# Altium PCB MB1428.PcbDoc (part 1 of 7) (continued)
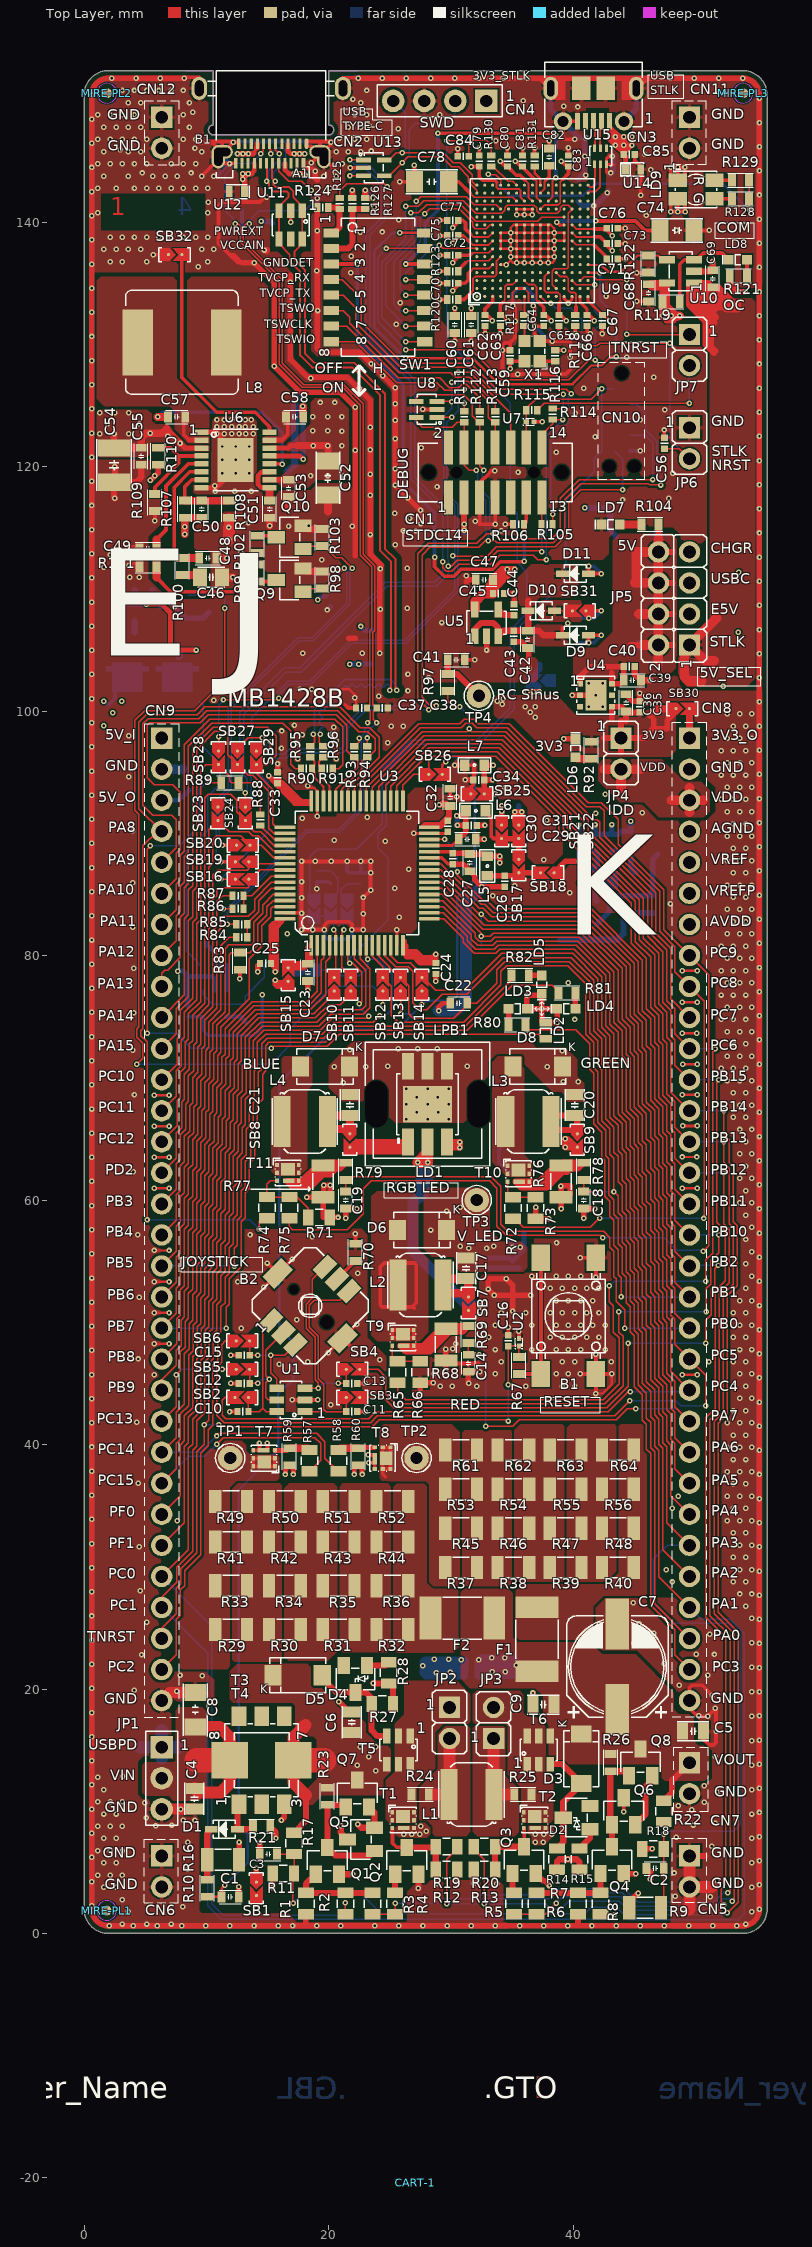
[diagram p0: Top Layer view]
## Classes and differential pairs
pad class PC_T3-T4_6: T3-6 T4-6
pad class PC_T3-T4_5: T3-5 T4-5
pad class PC_T3-T4_4: T3-4 T4-4
pad class PC_T3-T4_2: T3-2 T4-2
component class "Room Definition 1": U12
net class PA13-14: PA13 PA14
net class T_SW: T_SWCLK T_SWDIO
net class SWAPABLE: PA0 PA1 PA2 PA3 PA4 PA5 PA6 PA7 PA8 PA9 PA10 PA11 PA12 PA13 PA14 PA15 PB0 PB1 PB2 PB3 PB4 PB5 PB6 PB7 PB8 PB9 PB10 PB11 PB12 PB13 PB14 PB15 PC0 PC1 PC2 PC3 PC4 PC5 PC6 PC7 PC8 PC9 PC10 PC11 PC12 PC13 PC14 PC15 PD2 PF0 PF1
net class SIG-55OHM: MCO NetR84_1 NetR86_1 NetR88_2 NetSB10_2 NetSB11_2 PA0 PA1 PA2 PA3 PA4 PA5 PA6 PA7 PA8 PA9 PA10 PA11 PA12 PA13 PA14 PA15 PB0 PB1 PB2 PB3 PB4 PB5 PB6 PB7 PB8 PB9 PB10 PB11 PB12 PB13 PB14 PB15 PC0 PC1 PC2 PC3 PC4 PC5 PC6 PC7 PC8 PC9 PC10 PC11 PC12 PC13 PC14 PC15 PD2 PF0 PF1 STLK_MCO STLK_SWCLK STLK_SWDIO STLK_VCP_RX STLK_VCP_TX T_NRST T_SWCLK T_SWCLKa T_SWDIO T_SWDIOa T_SWOa T_VCP_RX T_VCP_TX
differential pair class DIFF_USB: D USB_DEV_HS USB_DEV_HS_CN USBPDFS_D
net class ALIMS: 1S 3V3 3V3_OUT 3V3_STLK 5V 5V_OUT 5V_USB_CHGR 5V_USB_STLK 5V_USBPD 5V_USBPD_1A_PROTECT 5V_VIN NetC42_2 NetC44_2 NetD2_3 USB_PD_VBUS USBPD_550mA_PROTECT USBPD_VBUS V_IN V_LED VBAT VC VDD VIN VOUT VREF VREFP
net class GND: AGND AVDD GND GNDDet GNDDetect
net class USB: D_N D_P USB_DEV_HS_CN_N USB_DEV_HS_CN_P USB_DEV_HS_N USB_DEV_HS_P USBPDFS_D_N USBPDFS_D_P
differential pair USB_DEV_HS: +USB_DEV_HS_P -USB_DEV_HS_N
differential pair USB_DEV_HS_CN: +USB_DEV_HS_CN_P -USB_DEV_HS_CN_N
differential pair D: +D_P -D_N
differential pair USBPDFS_D: +USBPDFS_D_P -USBPDFS_D_N

## Components (designator, comment, footprint, x,y, rotation, side; value= is the part's Value field where it differs from the comment)
B1 "" SWI_WEALTHMETAL_TD-0341_4P_BLACK 39.625,50.525 r0 top value=SWITCH
B2 "" SWI_XIEJIA_MT-008A_6P 18.5,51.35 r45 top value=MT-008A
C1 "" C0603_H0P8 11.95,3 r180 top value=680pF
C2 "" C0603_H0P8 46.725,5.325 r0 top value="6.8nF, 50V"
C3 "" C0603 15.075,6.5 r0 top value="22nF, 50V"
C4 "" C0805_H0P85 9.025,11.025 r90 top value="100nF, 50V"
C5 "" C0805_H0P85 49.825,16.55 r180 top value="100nF, 50V"
C6 "" C0805_H0P85 21.9,17.275 r270 top value="100nF, 50V"
C7 "" CPOL_WURTH_WCAP-ASLL_8X10P5 43.625,21.825 r270 top value="100µF, 35V"
C8 "Capacitor" C1206_H1P6 9.1,18.3 r270 top value="47uF, 25V"
C9 "" C0805_H0P85 37.575,18.725 r0 top value="100nF, 50V"
C10 "" C0402 13,42.7 r0 top value=100nF
C11 "" C0402 21.9,42.7 r180 top value=100nF
C12 "" C0402 13.1,45 r0 top value=100nF
C13 "" C0402 21.9,45 r180 top value=100nF
C14 "Capacitor" C0603_H0P8 31.45,46.65 r90 top value="470pF, 100V"
C15 "" C0402 13.1,47.3 r0 top value=100nF
C16 "" C0402 34.7,48.5 r270 top value=100nF
C17 "" C0805_H0P85 31.25,54.425 r90 top value=1uF
C18 "Capacitor" C0603_H0P8 40.87,60 r90 top value="470pF, 100V"
C19 "Capacitor" C0603_H0P8 21.4,60 r90 top value="470pF, 100V"
C20 "" C0805_H0P85 40.145,67.775 r90 top value=1uF
C21 "" C0805_H0P85 21.75,67.775 r90 top value=1uF
C22 "Capacitor" C0603_H0P8 30.65,76.1 r0 top value="470pF, 100V"
C23 "" C0603 18.289,78.629 r90 top value=1uF
C24 "" C0402 28.789,78.954 r90 top value=100nF
C25 "" C0402 14.85,79.35 r0 top value=100nF
C26 "" C0402 34.414,86.079 r90 top value=100nF
C27 "" C0603 31.564,87.604 r90 top value=10uF
C28 "" C0402 30.164,87.929 r270 top value=100nF
C29 "" C0603 31.35,89.525 r180 top value=1uF
C30 "" C0402 29.75,90.575 r90 top value=100nF
C31 "" C0402 31.675,90.65 r180 top value=100nF
C32 "" C0603 29.95,92.95 r270 top value=4.7uF
C33 "" C0402 15.825,94.55 r270 top value=100nF
C34 "" C0402 32.289,94.379 r0 top value=100nF
C35 "" C0402 45.475,100.35 r270 top value=100nF
C36 "" C0603 44.35,100.675 r270 top value=1uF
C37 "" C0402 22.7,100.25 r0 top value=390pF
C38 "" C0402 24.4,100.25 r180 top value=390pF
C39 "" C0603 44.85,102.525 r180 top value=1uF
C40 "" C0402 44.6,103.65 r180 top value=100nF
C41 "" C0603 30.45,104.2 r180 top value=10nF
C42 "" C0603 36.275,105.875 r90 top value=1uF
C43 "" C0402 35.15,106.125 r90 top value=100nF
C44 "" C0402 35.175,108.3 r270 top value=10nF
C45 "" C0402 33.9,109.625 r180 top value=100nF
C46 "Capacitor" C0805_KEMET_IPC-7351_DENSITY-LEVEL-B_H1P10 10.4,110.95 r180 top value=27nF
C47 "" C0603 32.75,110.75 r0 top value=1uF
C48 "" C0603 10.125,112.525 r180 top value=10pF
C49 "" C0603 5.225,113.275 r0 top value=10nF
C50 "Capacitor" C0603_H0P8 9.625,116.525 r270 top value=2.7nF
C51 "" C0603 15.175,116.525 r270 top value=4.7uF
C52 "" C1206_H1P6 19.95,119.075 r90 top value="6.8uF, 50V"
C53 "Capacitor" C0603_H0P8 16.725,118.225 r90 top value="1uF, 50V"
C54 "" C1210 2.45,120.125 r90 top value=22uF
C55 "" C0603 4.675,120.85 r90 top value=1uF
C56 "" C0402 47.475,121.925 r270 top value=100nF
C57 "" C0603_H0P8 7.575,124.075 r0 top value="68nF, 50V"
C58 "" C0603_H0P8 17.225,124.075 r180 top value="68nF, 50V"
C59 "" C0402 34.855,129.075 r270 top value=100nF
C60 "" C0603 30.33,131.625 r90 top value=4.7uF
C61 "" C0603 31.68,131.625 r90 top value=1uF
C62 "" C0402 32.805,131.95 r90 top value=100nF
C63 "" C0402 34.055,131.95 r90 top value=100nF
C64 "" C0402 37.605,131.95 r90 top value=100nF
C65 "" C0402 38.855,131.95 r90 top value=100nF
C66 "" C0402 41.155,131.95 r90 top value=100nF
C67 "" C0402 42.405,131.95 r90 top value=100nF
C68 "" C0603 46.18,134.225 r90 top value=1uF
C69 "" C0603 51.43,135.375 r270 top value=1uF
C70 "" C0402 30.155,135 r0 top value=100nF
C71 "" C0402 43.205,137 r180 top value=100nF
C72 "" C0402 30.155,137.3 r0 top value=100nF
C73 "" C0402 43.205,138.25 r180 top value=100nF
C74 "" C1206_H1P15 48.505,139.325 r180 top value=2.2uF
C75 "" C0402 30.155,138.9 r0 top value=100nF
C76 "" C0402 43.205,139.5 r180 top value=100nF
C77 "" C0402 30.155,140.15 r0 top value=100nF
C78 "" C1206_H1P15 28.43,143.3 r0 top value=2.2uF
C79 "" C0402 32.33,145 r270 top value=100nF
C80 "" C0402 34.63,145 r270 top value=100nF
C81 "" C0402 35.88,145 r270 top value=100nF
C82 "" C0603 38.055,145.325 r270 top value=2.2uF
C83 "" C0402 39.63,145 r270 top value=100nF
C84 "" C0402 31.03,145.4 r0 top value=20pF
C85 "" C0402 44.6,145.55 r180 top value=100pF
C86 "" C0603 35.05,53.625 r90 bottom value=4.7uF
C87 "" C0805_H0P85 33.05,54.425 r90 bottom value="100nF, 50V"
C88 "" C0402 8.475,75.45 r270 bottom value=100nF
C89 "" C1206_H0P85 11.375,80.975 r180 bottom value=22nF
C90 "Capacitor" C0603_H0P8 31.8,80.75 r0 bottom value="470pF, 100V"
C91 "Capacitor" C0603_H0P8 31.8,82.5 r0 bottom value="470pF, 100V"
C92 "" C0402 22.639,86.329 r270 bottom value=6.8pF
C93 "" C0402 19.039,86.479 r90 bottom value=6.8pF
C94 "" C0603_H0P8 45.825,86.775 r180 bottom locked value="100pF, 50V"
C95 "" C0603 41.8,89.225 r270 bottom value=100nF
C96 "" C0603 40.45,89.225 r270 bottom value=10uF
C97 "" C0402 8.6,94 r270 bottom value=100nF
C98 "" C0402 23.45,104.3 r270 bottom value=100nF
C99 "" C0402 37.275,104.3 r270 bottom value=100nF
C100 "" C0402 40.025,105.6 r0 bottom value=100nF
C101 "" C0402 23.575,107.05 r270 bottom value=100nF
C102 "" C0805_H0P6 2.55,108.325 r270 bottom value="1nF, 50V"
C103 "" C0402 40.025,107.925 r0 bottom value=100nF
C104 "" C0402 20.25,109.4 r180 bottom value=100nF
C105 "Capacitor" C0603 15.4,139.2 r90 bottom value="100nF, 50V"
CART-1 "Comment" Sheetbox_4L2S -18,-25.75 r0 top
CN1 "" CON_STDC14_Receiver_MEDIUM 33.635,119.525 r0 top value=STDC14
CN2 "" CON_USB-TYPEC_LITKCONN-TECHNOLOGY_CNG008S130R 15.3,152.4 r180 top locked value=CNG008S130R
CN3 "" CON_USBMICROB_MOLEX_105017-0001_H2P90 41.675,152.4 r180 top locked value=USB_uB_105017-0001
CN4 "" CON_SAMTEC_TSW-104-07-G-S 29.1,149.925 r180 top value="Header 4x1"
CN5 "Header 2x1" CON_LYCONN_313102S141346 49.53,5.08 r270 bottom
CN6 "Header 2x1" CON_LYCONN_313102S141346 6.35,5.08 r270 bottom
CN7 "Header 2x1" CON_LYCONN_313102S141346 49.53,12.7 r270 bottom
CN8 "Header 32x1" CON_LYCONN_313132S141346 49.53,58.42 r270 bottom locked value=313132S141346
CN9 "Header 32x1" CON_LYCONN_313132S141346 6.35,58.42 r270 bottom locked value=313132S141346
CN10 "" CON_TAG-C_TC2050-IDC-NL 43.995,123.825 r270 bottom value=TC2050-IDC-NL
CN11 "Header 2x1" CON_LYCONN_313102S141346 49.53,147.32 r270 bottom
CN12 "Header 2x1" CON_LYCONN_313102S141346 6.35,147.32 r270 bottom
D1 "DIODE_1K_2A" DIO_SOD323_1K_2A 11.475,8.525 r180 top value=BAS70JFILM
D2 "" DIO_SOT23_SC59_1A_2NC_3K_H1P4 40.3,9.475 r90 top value=BAT54FILM
D3 "" DIO_SMA_1A_2K 40.675,14.3 r270 top value=SMAJ15A
D4 "" DIO_SOT23_SC59_1A_2NC_3K_H1P4 22.2,20.825 r180 top value=BAT54FILM
D5 "" DIO_SMA_1A_2K 17.475,21.125 r0 top value=SMAJ15A
D6 "" DIO_SMA_1A_2K 27.65,57.55 r180 top value=STPS1L40AY
D7 "" DIO_SMA_1A_2K 19.71,70.925 r180 top value=STPS1L40AY
D8 "" DIO_SMA_1A_2K 37.11,70.925 r180 top value=STPS1L40AY
D9 "" DIO_SOD323 40.2,106.205 r180 top value=BAT60JFILM
D10 "" DIO_SOD323 37.405,108.205 r180 top value=BAT60JFILM
D11 "" DIO_SOD323 40.2,111.255 r180 top value=BAT60JFILM
ETIQUETTE-1 "Comment" LOGO_ETIQUETTE 41.6,4.525 r180 bottom
ETIQUETTE-2 "Comment" LOGO_ETIQUETTE 41.6,26 r180 bottom
F1 "" PTC_EATON_FUSE_PTS1812_H0P9 37.05,24.075 r270 top value="PTC FUSE 0.2A"
F2 "" PTC_EATON_FUSE_PTS1812_H0P9 30.95,25.8 r0 top value="PTC FUSE 0.2A"
JP1 "Jumper_Header 3x1 Fitted 1-2" CON_SAMTEC_TSW-103-07-F-S 6.35,12.7 r270 top value="Shunt Fitted 1-2"
JP2 "Jumper_Header 2x1" CON_988-JIUBABA_313102S111116 29.9,17.225 r270 top value="Shunt not fitted"
JP3 "Jumper_Header 2x1" CON_988-JIUBABA_313102S111116 33.5,17.225 r90 top value="Shunt not fitted"
JP4 "Jumper_Header 2x1 Fitted" CON_988-JIUBABA_313102S111116 43.93,96.52 r270 top locked value="Shunt Fitted"
JP5 "Jumper_Header 4x2 Fitted 1-2" CON_988-JIUBABA_313208S141116 48.26,109.22 r90 top value="Shunt Fitted 1-2"
JP6 "Jumper_Header 2x1" CON_988-JIUBABA_313102S111116 49.53,121.92 r270 top value="Shunt not fitted"
JP7 "Jumper_Header 2x1 Fitted" CON_988-JIUBABA_313102S111116 49.53,129.54 r270 top value="Shunt Fitted"
L1 "Inductor" IND_SUNLORD_SWPA5040S 31.7,11.375 r270 top value="51 uH"
L2 "Inductor" IND_SUNLORD_SWPA5040S 27.525,53.05 r90 top value="100 uH"
L3 "Inductor" IND_SUNLORD_SWPA5040S 36.345,66.425 r90 top value="100 uH"
L4 "Inductor" IND_SUNLORD_SWPA5040S 18.05,66.425 r90 top value="100 uH"
L5 "BEAD" L0603 32.989,87.329 r90 top value=FCM1608KF-301T05
L6 "BEAD" L0603 32.05,91.85 r180 top value=FCM1608KF-301T05
L7 "" L0603 31.939,95.579 r0 top value=600R@100MHz
L8 "" IND_8040_WURTH_74437358068 8,130.175 r180 top value="6.8µH 4.5A"
LD1 "" LED_PLCC6-EPAD_LUMEX_SML-LX5050SIUPGUBC 28.1,67.85 r270 top value="RGB LED"
LD2 "" LED_0603_SMD-B_BLUE_H0P4 37.775,73.85 r90 top value=BLUE
LD3 "" LED_0603_ORANGE_H0P4 35.475,75.65 r0 top value=ORANGE
LD4 "" LED_0603_GREEN 39.45,75.65 r180 top value=GREEN
LD5 "" LED_0603_RED 37.45,77.625 r270 top value=RED
LD6 "" LED_0603_GREEN 40.2,96.975 r90 top value=GREEN
LD7 "" LED_0603_GREEN 43.075,115.275 r180 top value=GREEN
LD8 "" LED_0603_RED 53.48,136.925 r180 top value=RED
LD9 "" LED_BI-GR_HSMF-A201-A00J1 50.075,142.675 r270 top value=LD_BICOLOR_CMS
LPB1 "LPB-S01110101S" LIGHT_10MM-SQUARE-LIGHT-BAR_LUMEX_LPB-S01110101S 28.1,67.85 r180 top
MIRE-PL1 "Comment" MIRE_PLACE_SMD_0P8MM 1.85,1.875 r0 top
MIRE-PL2 "Comment" MIRE_PLACE_SMD_0P8MM 1.875,150.55 r0 top
MIRE-PL3 "Comment" MIRE_PLACE_SMD_0P8MM 53.925,150.55 r0 top
MIRE-PL4 "Comment" MIRE_PLACE_SMD_0P8MM 2.075,1.925 r180 bottom
MIRE-PL5 "Comment" MIRE_PLACE_SMD_0P8MM 53.875,150.475 r180 bottom
MIRE-PL6 "Comment" MIRE_PLACE_SMD_0P8MM 1.875,150.55 r180 bottom
Q1 "" ICC_SOT23-3L_H1P12 19.9,5.95 r0 top value=NDS7002A
Q2 "" ICC_SOT23-3L_H1P12 26.4,5.95 r0 top value=NDS7002A
Q3 "" ICC_SOT23-3L_H1P12 36,6 r0 top value=NDS7002A
Q4 "" ICC_SOT23-3L_H1P12 43.2,6 r0 top value=NDS7002A
Q5 "" ICC_SOT23-3L_H1P12 22.65,7.7 r90 top value=BC807
Q6 "" ICC_SOT23-3L_H1P12 44.15,10 r0 top value=BC807
Q7 "" NPN_SOT23 22.35,11.45 r0 top value=BC817
Q8 "" NPN_SOT23 45.525,14 r0 top value=BC817
Q9 "" MOS_SOT23 16.825,110.725 r90 top value=BSN20
Q10 "" MOS_SOT23 16.825,114.225 r90 top value=BSN20
Q11 "9013-SOT23" NPN_SOT23 43.025,83.5 r90 bottom value=MMBT2222ALT1G
Q12 "" MOS_POWERFLAT_3P3X3P3_P065 7.625,103.475 r0 bottom value=STL9P3LLH6
Q13 "" MOS_POWERFLAT_3P3X3P3_P065 3.525,103.475 r0 bottom value=STL9P3LLH6
Q14 "" MOS_SOT23 7.4,108.55 r270 bottom value=BSN20
R1 "" R0805 18.15,2.45 r90 top value=10K
R2 "" R0805_H0P5 21.375,2.45 r90 top value=10R
R3 "" R0805_H0P5 23.6,2.45 r90 top value=270R
R4 "" R0805_H0P5 25.45,2.45 r90 top value=270R
R5 "" R0805_H0P5 35.175,2.45 r270 top value=270R
R6 "" R0805_H0P5 37.025,2.45 r270 top value=270R
R7 "" R0805 40.4,2.45 r90 top value=10K
R8 "" R0805_H0P5 42.25,2.45 r270 top value=10R
R9 "" R1206_H0P55 45.9,2.1 r0 top value=1R
R10 "Resistor" R0603 10.075,3.7 r90 top value=0R
R11 "" R0805 16.3,4.9 r0 top value="6K8, 0.1%"
R12 "" R0805 29.65,5.25 r180 top value=10K
R13 "" R0805 32.75,5.25 r0 top value=10K
R14 "" R0805_H0P5 38.675,6.075 r270 top value=47R
R15 "" R0805_H0P5 40.525,6.075 r270 top value=10R
R16 "Resistor" R1206_H0P55 11.375,6.025 r0 top value=187R
R17 "" R0805 17.175,7.375 r90 top value="27K, 0.1%"
R18 "" R0805 46.55,6.925 r0 top value="3.3K, 0.1%"
R19 "" R0805_H0P5 29.65,7.1 r180 top value=10R
R20 "" R0805_H0P5 32.75,7.1 r180 top value=10R
R21 "Resistor" R0603 14.525,8.775 r0 top value=5K1
R22 "" R0805 47.425,10 r90 top value="13.3K, 0.1%"
R23 "" R0603 19.9,11.225 r90 top value=1K
R24 "" R0603 27.5,11.375 r0 top value=0R_0603_ULO
R25 "" R0603 35.9,11.375 r0 top value=0R_0603_ULO
R26 "" R0603 43.075,13.975 r90 top value=1K
R27 "" R0805_H0P5 24.4,18.775 r180 top value=47R
R28 "" R0805_H0P5 24.925,21.325 r90 top value=10R
R29 "" R1206_H0P55 12.025,24.875 r0 top value=33R
R30 "" R1206_H0P55 16.425,24.875 r0 top value=33R
R31 "" R1206_H0P55 20.825,24.875 r0 top value=33R
R32 "" R1206_H0P55 25.225,24.875 r0 top value=33R
R33 "" R1206_H0P55 12.025,28.45 r0 top value=33R
R34 "" R1206_H0P55 16.425,28.45 r0 top value=33R
R35 "" R1206_H0P55 20.825,28.45 r0 top value=33R
R36 "" R1206_H0P55 25.225,28.45 r0 top value=33R
R37 "" R1206_H0P55 30.85,29.95 r0 top value=33R
R38 "" R1206_H0P55 35.125,29.95 r0 top value=33R
R39 "" R1206_H0P55 39.4,29.95 r0 top value=33R
R40 "" R1206_H0P55 43.675,29.95 r0 top value=33R
R41 "" R1206_H0P55 12.025,32.025 r0 top value=33R
R42 "" R1206_H0P55 16.425,32.025 r0 top value=33R
R43 "" R1206_H0P55 20.825,32.025 r0 top value=33R
R44 "" R1206_H0P55 25.225,32.025 r0 top value=33R
R45 "" R1206_H0P55 30.85,33.15 r0 top value=33R
R46 "" R1206_H0P55 35.125,33.15 r0 top value=33R
R47 "" R1206_H0P55 39.4,33.15 r0 top value=33R
R48 "" R1206_H0P55 43.675,33.15 r0 top value=33R
R49 "" R1206_H0P55 12.025,35.35 r0 top value=33R
R50 "" R1206_H0P55 16.425,35.35 r0 top value=33R
R51 "" R1206_H0P55 20.825,35.35 r0 top value=33R
R52 "" R1206_H0P55 25.225,35.35 r0 top value=33R
R53 "" R1206_H0P55 30.85,36.35 r0 top value=33R
R54 "" R1206_H0P55 35.125,36.35 r0 top value=33R
R55 "" R1206_H0P55 39.4,36.35 r0 top value=33R
R56 "" R1206_H0P55 43.675,36.35 r0 top value=33R
R57 "" R0805_H0P5 18.45,38.675 r90 top value=10R
R58 "" R0805_H0P5 20.8,38.675 r90 top value=10R
R59 "" R0603 16.8,39 r90 top value=10K
R60 "" R0603 22.425,39 r90 top value=10K
R61 "" R1206_H0P55 30.85,39.55 r0 top value=33R
R62 "" R1206_H0P55 35.125,39.55 r0 top value=33R
R63 "" R1206_H0P55 39.4,39.55 r0 top value=33R
R64 "" R1206_H0P55 43.675,39.55 r0 top value=33R
R65 "" R0805_H0P5 25.65,45.925 r90 top value=10R
R66 "" R0805 27.5,45.925 r90 top value=10K
R67 "" R0603 35.575,46.475 r270 top value=100R
R68 "" R1206_H0P55 29.6,48.175 r90 top value=3R01
R69 "" R0603 31.45,49 r270 top value=33R
R70 "" R0603 22.2,55.725 r270 top value=100R
R71 "" R0805 19.225,58.575 r180 top value=10K
R72 "" R0805_H0P5 35.095,59.35 r90 top value=10R
R73 "" R0805 36.945,59.35 r90 top value=10K
R74 "" R0805_H0P5 14.95,59.375 r90 top value=10R
R75 "" R0805_H0P5 16.8,59.375 r90 top value=10R
R76 "" R1206_H0P55 39.02,61.525 r90 top value=3R01
R77 "" R1206_H0P55 19.55,61.525 r90 top value=3R01
R78 "" R0603 40.87,62.35 r270 top value=33R
R79 "" R0603 21.4,62.35 r270 top value=33R
R80 "" R0603 35.425,74.35 r0 top value=1K
R81 "" R0603 39.5,76.95 r180 top value=330R
R82 "" R0603 35.675,78.375 r180 top value=1K
R83 "" R0603 12.75,79.55 r90 top value=10K
R84 "" R0402 12.9,81.5 r180 top value=0R
R85 "" R0402 12.9,82.55 r180 top value=0R
R86 "" R0402 12.6,83.85 r180 top value=0R
R87 "" R0402 12.6,84.9 r180 top value=0R
R88 "" R0402 14.425,91.1 r270 top value=47R
R89 "" R0603 11.925,94.125 r180 top value=470R
R90 "" R0402 18.189,95.304 r0 top value=0R
R91 "" R0402 19.889,95.304 r180 top value=0R
R92 "" R0603 41.5,96.8 r90 top value=330R
R93 "" R0402 22.1,96.675 r270 top value=0R
R94 "" R0402 23.164,96.675 r270 top value=0R
R95 "" R0402 18.514,96.679 r270 top value=0R
R96 "" R0402 19.564,96.679 r270 top value=0R
R97 "" R0603 29.75,102.35 r90 top value=15K
R98 "" R0603 19.475,110.725 r270 top value=10K
R99 "Resistor" R0603 14.175,111.3 r90 top value=180K
R100 "" R0603_H0P45 8.025,111.825 r90 top value=4K22
R101 "Resistor" R0603_H0P45 5.225,111.9 r0 top value=64.9K
R102 "Resistor" R0603_H0P45 14.175,113.65 r270 top value=59K
R103 "" R0603 19.475,114.2 r270 top value=10K
R104 "" R0603 46.3,115.275 r0 top value=820R
R105 "" R0402 37.875,115.282 r180 top value=47R
R106 "" R0402 35.55,115.285 r0 top value=100R
R107 "Resistor" R0603 8.25,116.525 r270 top value=200K
R108 "Resistor" R0603 11.85,116.525 r90 top value=49K9
R109 "" R0603_H0P45 5.8,117.075 r90 top value=787K
R110 "" R0603_H0P45 6.05,120.85 r270 top value=1M05
R111 "" R0402 31.1,124.082 r270 top value=47R
R112 "" R0402 32.375,124.082 r270 top value=47R
R113 "" R0402 33.65,124.082 r270 top value=47R
R114 "" R0402 38.33,124.3 r270 top value=47R
R115 "" R0402 36.625,124.632 r180 top value=47R
R116 "" R0402 38.53,129.075 r270 top value=10K
R117 "" R0402 36.03,131.95 r90 top value=100R
R118 "" R0402 40.18,131.95 r90 top value=10K
R119 "" R0603 48.03,133.5 r180 top value=100K
R120 "" R0402 30.155,133.675 r0 top value=10K
R121 "" R0603 53.53,135.625 r180 top value=1K
R122 "" R0603 46.155,136.575 r270 top value=10K
R123 "" R0402 30.155,135.975 r0 top value=10K
R124 "" R0402 19.525,141.2 r0 top value=4K7
R125 "" R0402 20.905,141.525 r270 top value=2K7
R126 "" R0402 21.955,141.525 r90 top value=4K7
R127 "" R0402 23.005,141.525 r90 top value=4K7
R128 "" R0603 53.7,141.925 r0 top value=330R
R129 "" R0603 53.7,143.425 r0 top value=330R
R130 "" R0402 33.305,145 r90 top value=100R
R131 "" R0402 36.855,145 r270 top value=3K
R132 "" R0603 31.7,21.45 r0 bottom value=0R_0603_ULO
R133 "" R0603 33.675,63.55 r180 bottom value=0R_0603_ULO
R134 "" R0603 13.175,75.325 r90 bottom value=43K
R135 "" R0603 12.45,79.175 r180 bottom value=49K9
R136 "" R0603 10.1,79.175 r180 bottom value=330K
R137 "" R0603 46.525,84.2 r270 bottom value=180R
R138 "" R0603 42.7,87.35 r180 bottom locked value="10K, 0.1%"
R139 "" R0603 43.175,89.225 r270 bottom value="33K, 0.1%"
R140 "" R0603 4.15,108.05 r90 bottom value=56K
R141 "" R0603 10.225,108.8 r90 bottom value=10K
R142 "" R0603 4.85,109.925 r180 bottom value=330R
SB1 "" SOLDER-BRIDGE_R0603-0R 14.1,3.7 r270 top
SB2 "" SOLDER-BRIDGE_R0603-0R 12.95,43.85 r180 top
SB3 "" SOLDER-BRIDGE_R0603-0R 21.95,43.85 r0 top
SB4 "" SOLDER-BRIDGE_R0603-0R 21.95,46.15 r0 top
SB5 "" SOLDER-BRIDGE_R0603-0R 12.95,46.15 r0 top
SB6 "" SOLDER-BRIDGE_R0603-0R 12.95,48.475 r0 top
SB7 "" SOLDER-BRIDGE_R0603-0R 31.45,51.575 r270 top
SB8 "" SOLDER-BRIDGE_R0603-0R 21.75,64.925 r270 top
SB9 "" SOLDER-BRIDGE_R0603-0R 40.35,64.925 r270 top
SB10 "" SOLDER-BRIDGE_R0603-0R 20.464,77.604 r90 top
SB11 "" SOLDER-BRIDGE_R0603-0R 21.814,77.604 r90 top
SB12 "" SOLDER-BRIDGE_R0603-0R 24.439,77.604 r90 top
SB13 "" SOLDER-BRIDGE_R0603-0R 25.889,77.604 r90 top
SB14 "" SOLDER-BRIDGE_R0603-0R 27.639,77.604 r90 top
SB15 "" SOLDER-BRIDGE_R0603-0R 16.7,78.4 r90 top
SB16 "" SOLDER-BRIDGE_R0603-0R 12.975,86.25 r180 top
SB17 "" SOLDER-BRIDGE_R0603-0R 35.564,87.379 r270 top
SB18 "" SOLDER-BRIDGE_R0603-0R 37.95,86.775 r180 top
SB19 "" SOLDER-BRIDGE_R0603-0R 12.975,87.675 r180 top
SB20 "" SOLDER-BRIDGE_R0603-0R 12.975,89.025 r0 top
SB21 "" SOLDER-BRIDGE_R0603-0R 34.164,90.179 r270 top
SB22 "" SOLDER-BRIDGE_R0603-0R 35.564,90.179 r270 top
SB23 "" SOLDER-BRIDGE_R0603-0R 10.95,91.65 r270 top
SB24 "" SOLDER-BRIDGE_R0603-0R 13.2,91.65 r270 top
SB25 "" SOLDER-BRIDGE_R0603-0R 32.139,93.229 r0 top
SB26 "" SOLDER-BRIDGE_R0603-0R 28.7,94.825 r0 top
SB27 "" SOLDER-BRIDGE_R0603-0R 12.55,96.225 r270 top
SB28 "" SOLDER-BRIDGE_R0603-0R 11,96.225 r270 top
SB29 "" SOLDER-BRIDGE_R0603-0R 14.1,96.225 r270 top
SB30 "" SOLDER-BRIDGE_R0603-0R 48.925,100.2 r0 top
SB31 "SB_ON" SOLDER-BRIDGE_R0603-0R 40.555,108.205 r180 top
SB32 "" SOLDER-BRIDGE_R0603-0R 7.4,137.35 r0 top
SB33 "" SOLDER-BRIDGE_R0603-0R 18.225,78.825 r0 bottom
SB34 "" SOLDER-BRIDGE_R0603-0R 21.514,83.854 r270 bottom
SB35 "" SOLDER-BRIDGE_R0603-0R 20.164,83.854 r270 bottom
SB36 "" SOLDER-BRIDGE_R0603-0R 18.814,83.854 r270 bottom
SB37 "" SOLDER-BRIDGE_R0603-0R 42.475,85.95 r180 bottom
SB38 "" SOLDER-BRIDGE_R0603-0R 37.375,102.5 r180 bottom
SW1 "TDP08H1SBD1_180" SWI_C&K_TDP08H1SBD1 24.05,134.675 r270 top value=TDP08H1SBD1_Symbol_180
T1 "" MOS_POWERFLAT_2X2_P065 26.113,9.275 r270 top value=STL6N2VH5
T2 "" MOS_POWERFLAT_2X2_P065 36.875,9.275 r270 top value=STL6N2VH5
T3 "" TRS_WURTH_750317809 14.525,14.175 r90 top value=750317809
T4 "" TRS_WURTH_749251125 14.525,14.175 r90 top value=749251125
T5 "" MOS_SOT23-6L 25.725,15 r180 top value=STT4P3LLH6
T6 "" MOS_SOT23-6L 37.2,15 r0 top value=STT4P3LLH6
T7 "" MOS_POWERFLAT_2X2_P065 14.725,38.875 r90 top value=STL6N2VH5
T8 "" MOS_POWERFLAT_2X2_P065 24.425,38.875 r180 top value=STL6N2VH5
T9 "" MOS_POWERFLAT_2X2_P065 26.1,48.725 r270 top value=STL6N2VH5
T10 "" MOS_POWERFLAT_2X2_P065 35.545,62.15 r270 top value=STL6N2VH5
T11 "" MOS_POWERFLAT_2X2_P065 16.688,62.225 r270 top value=STL6N2VH5
TP1 "" TP_PTH_1MM_2MM 11.95,38.9 r180 top value=TP
TP2 "" TP_PTH_1MM_2MM 27.2,38.9 r90 top value=TP
TP3 "" TP_PTH_1MM_2MM 32.125,60 r90 top value=TP
TP4 "" TP_PTH_1MM_2MM 32.3,101.25 r90 top value=TP
U1 "" ESD_SOT23-6L 16.925,43.65 r90 top value=ESDA6V1-5SC6
U2 "" ESD_ST0201 35.575,48.375 r90 top value=ESDALC6V1-1U2
U3 "STM32G474RET6U" ICC_LQFP64_10X10_P050 22.339,86.754 r0 top
U4 "" ICC_DFN6-EPAD_3X3_P095 41.875,101.3 r270 top value=LD39050PU33R
U5 "" REG_SOT23-5L 32.925,107.225 r0 top value=LD3985M33R
U6 "" ICC_TSOP65P640X110_HS-17N 12.4,120.55 r0 top value=LTC3114HFE-1
U7 "" ESD_ST0201 36.485,123.675 r0 top value=ESDALC6V1-1U2
U8 "" ESD_SOT323-5L 28.025,124.682 r90 top value=ESDALC6V1W5
U9 "" ICC_UFBGA201_176+25_10X10_P065 36.68,138.475 r90 top value=ST-LINKV3E_SWD
U10 "" MOS_SOT23-5L 48.805,135.975 r90 top value=STMPS2151STR
U11 "" ESD_SOT23-6L 16.9,139.775 r180 top value=USBLC6-2SC6
U12 "" ESD_QFN1610_2N_1K_2A 12.5,142.5 r180 top value=ESDA25P35-1U1M
U13 "" ESD_SOT323-5L 23.705,144.45 r270 top value=ESDALC6V1W5
U14 "" ESD_QFN2_1P6X1_P125 44.925,144.3 r0 top value=ESDA7P60-1U1M
U15 "" ESD_QFN-6L_1P7X1P5_P050 42.25,145.4 r0 top value=ECMF02-2AMX6
U16 "" AOP_SOT23-5L_H1P45 10.7,76.1 r0 bottom value=TSV911ILT
U17 "" ICC_SOT23-5L_H1P45 45.825,89.225 r270 bottom value=TL1431ACL5T
U18 "" ESD_SOT23 12.925,139.925 r180 bottom value=ESDA6V1L
X1 "OSCILLATOR_4_PINS" OSC_NDK_NZ2520SB_4P 36.655,129.45 r90 top value="NZ2520SH 25MHz"
X2 "" CRY_NX2016SA_4P 20.839,86.404 r0 bottom value="NX2016SA 24MHz"

## Footprints (in the part's own frame and the unit in brackets; to place one, negate y for a bottom-side part, rotate by r counter-clockwise, add the part's x,y. Pads: shape width x height; smd on the part's side, far side on the other; paste and mask are expansions set on the pad)
AOP_SOT23-5L_H1P45 [mm]
  rect 0.6x1.3 smd mask+0.05: 1(-0.95,-1.1) 2(0,-1.1) 3(0.95,-1.1) 4(0.95,1.1) 5(-0.95,1.1)
  silkscreen extent -1.75,-1.68 1.6,0.97, body extent -1.52,-1.25 1.52,1.25, height 1.45
C0402 [mm]
  rect 0.51x0.56 smd mask+0.05: 1(-0.45,0) 2(0.45,0)
  silkscreen extent 0,-0.3 0,0.3, body extent -0.5,-0.3 0.5,0.3, height 0.4
C0603 [mm]
  rect 0.64x0.89 smd mask+0.05: 1(-0.7,0) 2(0.7,0)
  silkscreen extent -1.05,-0.55 1.02,0.55, body extent -0.9,-0.5 0.9,0.5, height 1.4
C0603_H0P8 [mm] "MCD-01540"
  rect 0.64x0.89 smd mask+0.05: 1(-0.7,0) 2(0.7,0)
  silkscreen extent -0.9,-0.55 0.9,0.55, body extent -0.9,-0.5 0.9,0.5, height 1
C0805_H0P6 [mm] "MCD-01549"
  rect 0.9x1.4 smd mask+0.05: 1(-0.85,0) 2(0.85,0)
  silkscreen extent -1.1,-0.77 1.1,0.77, body extent -1.1,-0.7 1.1,0.7, height 0.7
C0805_H0P85 [mm] "MCD-01525"
  rect 0.9x1.4 smd mask+0.05: 1(-0.85,0) 2(0.85,0)
  silkscreen extent -1.3,-0.77 1.3,0.77, body extent -1.1,-0.73 1.1,0.73, height 0.95
C0805_KEMET_IPC-7351_DENSITY-LEVEL-B_H1P10 [mm] "MCD-01719"
  rect 1.15x1.45 smd mask+0.05: 1(-0.9,0) 2(0.9,0)
  silkscreen extent -1.1,-0.82 1.1,0.82, body extent -1,-0.63 1,0.63, height 1.2
C1206_H0P85 [mm]
  rect 1.4x1.78 smd mask+0.05: 1(-1.4,0) 2(1.4,0)
  silkscreen extent -2.12,-0.97 2.15,0.97, body extent -1.6,-0.8 1.6,0.8, height 0.95
C1206_H1P6 [mm]
  rect 1.4x1.78 smd mask+0.05: 1(-1.4,0) 2(1.4,0)
  silkscreen extent -2.12,-0.97 2.15,0.97, body extent -1.7,-0.9 1.7,0.9, height 1.8
C1206_H1P15 [mm]
  rect 1.4x1.78 smd mask+0.05: 1(-1.4,0) 2(1.4,0)
  silkscreen extent -2.12,-0.97 2.15,0.97, body extent -1.7,-0.9 1.7,0.9, height 1.35
C1210 [mm]
  rect 1.4x2.6 smd mask+0.05: 1(-1.4,0) 2(1.4,0)
  silkscreen extent -2.1,-1.43 2.1,1.43, body extent -1.75,-1.35 1.75,1.35, height 2.5
CON_988-JIUBABA_313102S111116 [mm] "MCD-01660"
  rect 1.75x1.75 hole 1.05 mask+0.05: 1(-1.27,0)
  round 1.75 hole 1.05 mask+0.05: 2(1.27,0)
  silkscreen extent -2.67,-1.4 2.54,1.4, body extent -2.67,-1.4 2.54,1.4, height 8.94
CON_988-JIUBABA_313208S141116 [mm] "MCD-01661"
  rect 1.75x1.75 hole 1.05 mask+0.05: 1(-3.81,-1.27)
  round 1.75 hole 1.05 mask+0.05: 2(-3.81,1.27) 3(-1.27,-1.27) 4(-1.27,1.27) 5(1.27,-1.27) 6(1.27,1.27) 7(3.81,-1.27) 8(3.81,1.27)
  silkscreen extent -5.21,-2.67 5.21,2.67, body extent -5.21,-2.67 5.21,2.67, height 8.94
CON_LYCONN_313102S141346 [mm] "MCD-01668"
  rect 1.75x1.75 hole 1.05 mask+0.05: 1(-1.27,0)
  round 1.75 hole 1.05 mask+0.05: 2(1.27,0)
  silkscreen extent -2.67,-1.4 2.54,1.4, body extent -2.67,-1.4 2.54,1.4, height 8.38
CON_LYCONN_313132S141346 [mm] "MCD-01728"
  rect 1.75x1.75 hole 1.05 mask+0.05: 1(-39.37,0)
  round 1.75 hole 1.05 mask+0.05: 2(-36.83,0) 3(-34.29,0) 4(-31.75,0) 5(-29.21,0) 6(-26.67,0) 7(-24.13,0) 8(-21.59,0) 9(-19.05,0) 10(-16.51,0) 11(-13.97,0) 12(-11.43,0) 13(-8.89,0) 14(-6.35,0) 15(-3.81,0) 16(-1.27,0) 17(1.27,0) 18(3.81,0) 19(6.35,0) 20(8.89,0) 21(11.43,0) 22(13.97,0) 23(16.51,0) 24(19.05,0) 25(21.59,0) 26(24.13,0) 27(26.67,0) 28(29.21,0) 29(31.75,0) 30(34.29,0) 31(36.83,0) 32(39.37,0)
  silkscreen extent -40.77,-1.4 40.77,1.4, body extent -40.77,-1.4 40.77,1.4, height 8.38
CON_SAMTEC_TSW-103-07-F-S [mm]
  rect 1.85x1.85 / inner round 1.85 / far side rect 1.85x1.85 hole 1 mask+0.05: 1(-2.54,0)
  round 1.85 hole 1 mask+0.05: 2(0,0) 3(2.54,0)
  silkscreen extent -3.85,-1.3 3.85,1.3, body extent -3.91,-1.37 3.91,1.37, height 8.38
CON_SAMTEC_TSW-104-07-G-S [mm]
  rect 1.85x1.85 / inner round 1.85 / far side rect 1.85x1.85 hole 1 mask+0.05: 1(-3.81,0)
  round 1.85 hole 1 mask+0.05: 2(-1.27,0) 3(1.27,0) 4(3.81,0)
  silkscreen extent -5.12,-1.3 5.12,1.3, body extent -5.21,-1.37 5.18,1.37, height 8.38
CON_STDC14_Receiver_MEDIUM [mm] "compatible with FTSH-107-01-L-DV,-K,-A,-P,-ES"
  round 0 hole 1.19 unplated mask+0.05: 0(-5.445,0) 0(5.445,0)
  round 0 hole 0.97 unplated mask+0.05: 0(-3.175,0) 0(3.175,0)
  rect 0.74x2.79 smd mask+0.05: 1(-3.81,-2.032) 2(-3.81,2.032) 3(-2.54,-2.032) 4(-2.54,2.032) 5(-1.27,-2.032) 6(-1.27,2.032) 7(0,-2.032) 8(0,2.032) 9(1.27,-2.032) 10(1.27,2.032) 11(2.54,-2.032) 12(2.54,2.032) 13(3.81,-2.032) 14(3.81,2.032)
  silkscreen extent -6.3,-2.39 6.3,2.39, body extent -6.3,-2.92 6.3,2.92, height 6.6
CON_TAG-C_TC2050-IDC-NL [mm]
  round 0.9 smd paste+0 mask+0.05: 1(-2.54,-0.635) 2(-1.27,-0.635) 3(0,-0.635) 4(1.27,-0.635) 5(2.54,-0.635) 6(2.54,0.635) 7(1.27,0.635) 8(0,0.635) 9(-1.27,0.635) 10(-2.54,0.635)
  round 0 hole 1.1 unplated mask+0.05: 11(-3.81,0) 12(3.81,-1.015) 13(3.81,1.015)
  silkscreen extent -6.22,-3.4 6.22,3.33, body extent -6.28,-3.46 6.28,3.39, height 13
CON_USB-TYPEC_LITKCONN-TECHNOLOGY_CNG008S130R [mm] "MCD01679__Doc Pin 1 = B12 et Doc Pin 13 = A1. The thickness of the pcb must be 0.8mm"
  oval 1.1x1.9 hole 0.7 slot 1.5 at 90 deg mask+0.05: 1(-4.32,7.05) 4(4.32,7.05)
  oval 1.75x1.1 hole 0.7 slot 1.35 at 0 deg mask+0.05: 2(-3.995,6.65) 5(3.995,6.65)
  oval 1.3x1.9 hole 0.7 slot 1.3 at 90 deg mask+0.05: 3(-5.875,1.45) 6(5.875,1.45)
  rect 0.3x0.85 smd mask+0.05: A1(-2.645,7.58) A12(2.895,7.58) B1(2.645,5.98)
  rect 0.25x0.85 smd mask+0.05: A2(-2.125,7.58) A3(-1.625,7.58) A4(-1.125,7.58) A5(-0.625,7.58) A6(-0.125,7.58) A7(0.375,7.58) A8(0.875,7.58) A9(1.375,7.58) A10(1.875,7.58) A11(2.375,7.58) B2(2.125,5.98) B3(1.625,5.98) B4(1.125,5.98) B5(0.625,5.98) B6(0.125,5.98) B7(-0.375,5.98) B8(-0.875,5.98) B9(-1.375,5.98) B10(-1.875,5.98) B11(-2.375,5.98)
  oval 0.3x0.85 smd mask+0.05: B12(-2.895,5.98)
  Keep-Out Layer lines w0.1: 7,0 4.725,0 4.725,4.45 ccw(c4.725,4.85) 4.725,5.25 -4.725,5.25 ccw(c-4.725,4.85) -4.725,4.45 -4.725,0 -7,0
  silkscreen extent -5.18,0 5.18,8.75, body extent -5.97,0 5.97,8.75, height 2.33
CON_USBMICROB_MOLEX_105017-0001_H2P90 [mm]
  rect 0.4x1.35 smd mask+0.05: 1(-1.3,4.15) 2(-0.65,4.15) 3(0,4.15) 4(0.65,4.15) 5(1.3,4.15)
  round 1.5 hole 0.9 mask+0.05: 6(-2.5,4.15) 7(2.5,4.15)
  oval 1.2x1.9 hole 0.6 slot 1.3 at 90 deg mask+0.05: 8(3.5,1.45) 9(-3.5,1.45)
  rect 1.5x1.9 smd mask+0.05: 10(-1,1.45) 11(1,1.45)
  Top Layer region: -3.5,2.4 -2.3,2.4 -2.3,0.5 -3.5,0.5 -3.5,2.4
  Top Layer region: 2.3,2.4 3.5,2.4 3.5,0.5 2.3,0.5 2.3,2.4
  silkscreen extent -4,-0.7 4,4.6, body extent -4.1,-1.15 4.1,4.66, height 2.9
CPOL_WURTH_WCAP-ASLL_8X10P5 [mm] "MCD-01683"
  rect 4.2x1.9 smd mask+0.05: 1(3.5,0) 2(-3.5,0)
  silkscreen extent -4.15,-4.15 4.22,4.15, body extent -4.5,-4.15 4.5,4.15, height 10.5
CRY_NX2016SA_4P [mm]
  rect 0.85x0.75 smd mask+0.05: 1(-0.675,-0.525) 2(0.675,-0.525) 3(0.675,0.525) 4(-0.675,0.525)
  silkscreen extent -1.22,-1.02 1.05,0.85, body extent -1.05,-0.85 1.05,0.85, height 0.7
DIO_SMA_1A_2K [mm]
  rect 1.4x1.64 smd mask+0.05: 1(2.015,0) 2(-2.015,0)
  silkscreen extent -2.3,-1.45 2.3,1.45, body extent -2.75,-1.45 2.75,1.45, height 2.7
DIO_SOD323 [mm]
  rect 1.06x0.54 smd mask+0.05: 1(-1.07,0) 2(1.07,0)
  silkscreen extent -0.9,-0.72 0.9,0.72, body extent -1.3,-0.78 1.3,0.78, height 1.17
DIO_SOD323_1K_2A [mm] "MCD-01530"
  rect 1.06x0.54 smd mask+0.05: 1(1.07,0) 2(-1.07,0)
  silkscreen extent -0.9,-0.72 0.9,0.72, body extent -1.3,-0.78 1.3,0.78, height 1.2
DIO_SOT23_SC59_1A_2NC_3K_H1P4 [mm] "MCD-01524"
  rect 1x1.4 smd mask+0.05: 1(-0.95,-1.1) 2(0.95,-1.1) 3(0,1.1)
  silkscreen extent -1.58,-0.87 1.58,0.87, body extent -1.55,-1.4 1.55,1.4, height 1.4
ESD_QFN2_1P6X1_P125 [mm]
  rect 0.55x0.8 smd mask+0.05: 1(-0.625,0) 2(0.625,0)
  silkscreen extent -1,-0.55 0.85,0.55, body extent -0.85,-0.55 0.85,0.55, height 0.61
ESD_QFN1610_2N_1K_2A [mm] "DFN, 2-Leads, Body 1.60x1.00mm"
  rect 0.55x0.9 smd mask+0.05: 1(-0.625,0) 2(0.625,0)
  silkscreen extent -1.02,-0.58 0.85,0.58, body extent -0.85,-0.55 0.85,0.55, height 0.6
ESD_QFN-6L_1P7X1P5_P050 [mm]
  rect 0.25x0.6 smd mask+0.05: 1(-0.5,-0.65) 2(0,-0.65) 3(0.5,-0.65) 4(0.5,0.65) 5(0,0.65) 6(-0.5,0.65)
  silkscreen extent -0.9,-0.8 0.9,0.8, body extent -0.9,-0.8 0.9,0.8, height 0.56
ESD_SOT23 [mm]
  rect 1x1.4 smd mask+0.05: 1(-0.95,-1.1) 2(0.95,-1.1) 3(0,1.1)
  silkscreen extent -1.63,-0.82 1.63,0.82, body extent -1.56,-1.5 1.56,1.5, height 1.4
ESD_SOT23-6L [mm]
  rect 0.6x1.2 smd mask+0.05: 1(-0.95,-1.15) 2(0,-1.15) 3(0.95,-1.15) 4(0.95,1.15) 5(0,1.15) 6(-0.95,1.15)
  silkscreen extent -1.53,-0.87 1.53,0.87, body extent -1.52,-1.5 1.52,1.5, height 1.45
ESD_SOT323-5L [mm]
  rect 0.4x1.2 smd mask+0.05: 1(-0.65,-0.85) 2(0,-0.85) 3(0.65,-0.85) 4(0.65,0.85) 5(-0.65,0.85)
  silkscreen extent -1.22,-1.21 1.22,0.77, body extent -1.15,-1.05 1.15,1.05, height 1.1
ESD_ST0201 [mm]
  rect 0.425x0.33 smd mask+0.05: 1(-0.312,0) 2(0.312,0)
  silkscreen extent -0.55,-0.3 0.33,0.3, body extent -0.34,-0.18 0.34,0.18, height 0.34
ICC_DFN6-EPAD_3X3_P095 [mm]
  rect 0.45x0.5 smd mask+0.05: 1(-0.95,-1.3) 2(0,-1.3) 3(0.95,-1.3) 4(0.95,1.3) 5(0,1.3) 6(-0.95,1.3)
  rect 2.5x1.7 smd mask+0.05: EP(0,0)
  silkscreen extent -1.55,-1.55 1.55,1.55, body extent -1.55,-1.55 1.55,1.55, height 1
ICC_LQFP64_10X10_P050 [mm]
  rect 0.3x1.7 smd mask+0.05: 1(-3.75,-5.9) 2(-3.25,-5.9) 3(-2.75,-5.9) 4(-2.25,-5.9) 5(-1.75,-5.9) 6(-1.25,-5.9) 7(-0.75,-5.9) 8(-0.25,-5.9) 9(0.25,-5.9) 10(0.75,-5.9) 11(1.25,-5.9) 12(1.75,-5.9) 13(2.25,-5.9) 14(2.75,-5.9) 15(3.25,-5.9) 16(3.75,-5.9) 33(3.75,5.9) 34(3.25,5.9) 35(2.75,5.9) 36(2.25,5.9) 37(1.75,5.9) 38(1.25,5.9) 39(0.75,5.9) 40(0.25,5.9) 41(-0.25,5.9) 42(-0.75,5.9) 43(-1.25,5.9) 44(-1.75,5.9) 45(-2.25,5.9) 46(-2.75,5.9) 47(-3.25,5.9) 48(-3.75,5.9)
  rect 1.7x0.3 smd mask+0.05: 17(5.9,-3.75) 18(5.9,-3.25) 19(5.9,-2.75) 20(5.9,-2.25) 21(5.9,-1.75) 22(5.9,-1.25) 23(5.9,-0.75) 24(5.9,-0.25) 25(5.9,0.25) 26(5.9,0.75) 27(5.9,1.25) 28(5.9,1.75) 29(5.9,2.25) 30(5.9,2.75) 31(5.9,3.25) 32(5.9,3.75) 49(-5.9,3.75) 50(-5.9,3.25) 51(-5.9,2.75) 52(-5.9,2.25) 53(-5.9,1.75) 54(-5.9,1.25) 55(-5.9,0.75) 56(-5.9,0.25) 57(-5.9,-0.25) 58(-5.9,-0.75) 59(-5.9,-1.25) 60(-5.9,-1.75) 61(-5.9,-2.25) 62(-5.9,-2.75) 63(-5.9,-3.25) 64(-5.9,-3.75)
  silkscreen extent -5.05,-5.05 5.05,5.05, body extent -6,-6 6,6, height 1.6
ICC_SOT23-3L_H1P12 [mm]
  rect 1x1.4 smd mask+0.05: 1(-0.95,-1.1) 2(0.95,-1.1) 3(0,1.1)
  silkscreen extent -1.63,-0.82 1.63,0.82, body extent -1.56,-1.25 1.56,1.25, height 1.12
ICC_SOT23-5L_H1P45 [mm]
  rect 0.6x1.3 smd mask+0.05: 1(-0.95,-1.1) 2(0,-1.1) 3(0.95,-1.1) 4(0.95,1.1) 5(-0.95,1.1)
  silkscreen extent -1.75,-1.68 1.6,0.97, body extent -1.52,-1.25 1.52,1.25, height 1.45
ICC_TSOP65P640X110_HS-17N [mm] "MCD-01593"
  rect 1.15x0.45 smd mask+0.05: 1(-2.775,2.275) 2(-2.775,1.625) 3(-2.775,0.975) 4(-2.775,0.325) 5(-2.775,-0.325) 6(-2.775,-0.975) 7(-2.775,-1.625) 8(-2.775,-2.275) 9(2.775,-2.275) 10(2.775,-1.625) 11(2.775,-0.975) 12(2.775,-0.325) 13(2.775,0.325) 14(2.775,0.975) 15(2.775,1.625) 16(2.775,2.275)
  rect 2.95x3.6 smd paste+0 mask+0.05: 17(0,0)
  silkscreen extent -1.98,-2.5 1.85,2.5, body extent -3.2,-2.55 3.2,2.55, height 1.1